# KiCad board mainboard.kicad_pcb (continued)
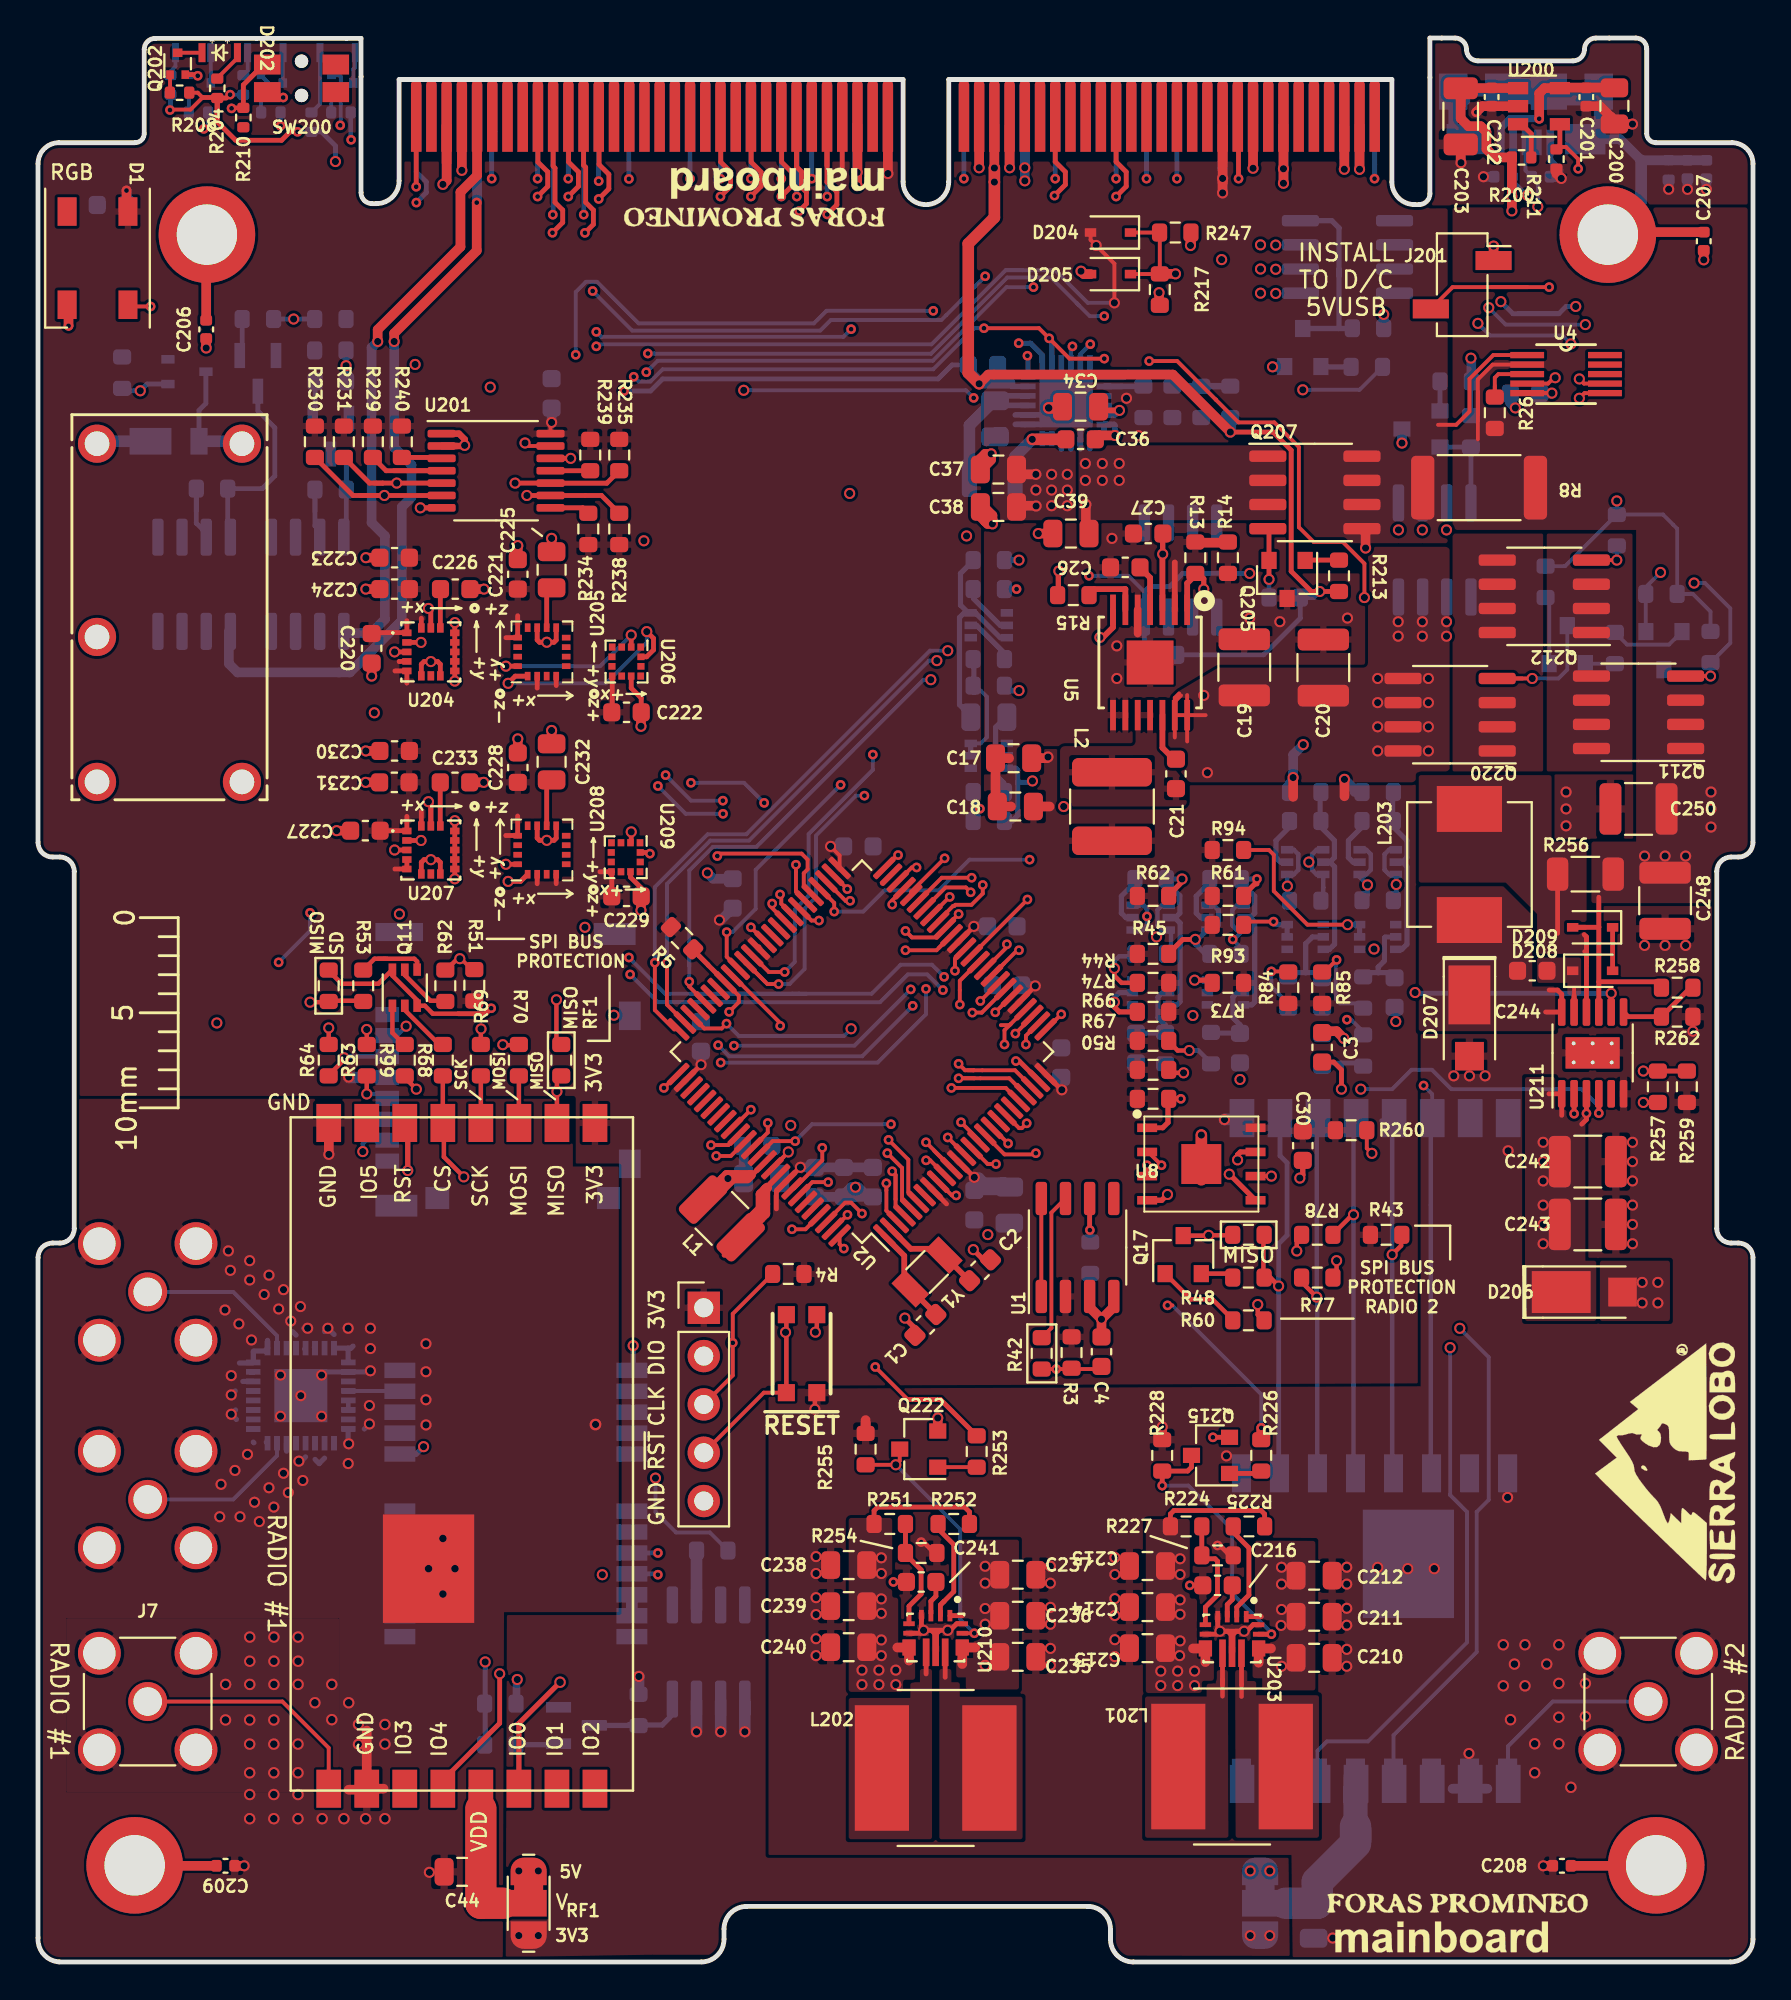
[diagram p0: board, top side]
## Nets (continued)
VBUS_INHIBIT: C245.1 C248.1 C249.1 C250.1 D209.2 Q211.1 Q211.2 Q211.3 R8.1 R26.1 R256.1 R258.1 U4.2 U211.9
VBUS_RESET: R52.2 U2.54
VBUS_USB: C37.2 C38.2 Q213.1 Q213.2 Q213.3 U17.15 U17.16
VCC_MHX: C213.1 C214.1 C215.1 JP6.1 JP7.1 P1.73 R224.1 R225.1 U203.7
VCC_PAYLOAD: C238.1 C239.1 C240.1 P1.59 P1.60 R251.1 R252.1 U210.7
VCC_RF1: C44.2 JP6.2 U23.5
VCC_RF2: C46.2 JP7.2 U15.13 U24.5
/Avionics/BATTERY: C3.1 R1.2 R2.2 U2.19
/Avionics/XTAL1: C1.1 U2.1 Y1.1
/Avionics/XTAL2: C2.1 U2.2 Y1.2
/Burn Wires/VBURN_A_IN: Q20.1 Q20.2 Q20.3 Q21.1 Q21.2 Q21.3 R37.2 R38.2 U16.11
/IMU/SCL_IMU1: R230.2 U201.6 U204.2 U205.1 U206.12
/IMU/SCL_IMU2: R235.2 U201.10 U207.2 U208.1 U209.12
/IMU/SDA_IMU1: R231.2 U201.5 U204.3 U205.16 U206.2
/IMU/SDA_IMU2: R238.2 U201.9 U207.3 U208.16 U209.2
/RF and GPS/RF2_ANT: J12.1 U15.9 U24.1
/RF and GPS/RF2_IO1: U15.15 U24.7
/RF and GPS/RF2_IO2: U15.16 U24.8
/RF and GPS/RF2_IO3: U15.11 U24.3
/RF and GPS/RF_IN: U13.4 U14.11
/SLI_Card/+X_SOLAR_TLE: P1.4
/SLI_Card/+Y_SOLAR_TLE: P1.113
/SLI_Card/-X_SOLAR_TLE: P1.114
/SLI_Card/-Z_SOLAR_TLE: P1.3
/SLI_Card/Blank-Card-Default/SW_VCC: R210.1
/SLI_Card/Blank-Card-Default/YEL_LED: R207.2
/SLI_Card/CHS: C204.1 C205.1 C206.2 C207.2 C208.2 C209.2 H200.1 H201.1 H202.1 H203.1 J200.6 R201.1
/SLI_Card/H1-3: P1.13
/SLI_Card/H1-4: P1.14
/SLI_Card/H1-12: P1.30
/SLI_Card/H1-13: P1.33
/SLI_Card/H1-14: P1.34
/SLI_Card/H1-16: P1.38
/SLI_Card/H1-24: P1.54
/SLI_Card/H1-25: P1.57
/SLI_Card/H1-27: P1.61
/SLI_Card/H1-28: P1.62
/SLI_Card/H1-30: P1.66
/SLI_Card/H1-31: P1.69
/SLI_Card/H1-34: P1.74
/SLI_Card/H1-37: P1.81
/SLI_Card/H1-38: P1.82
/SLI_Card/H1-42: P1.90
/SLI_Card/H1-44: P1.94
/SLI_Card/H1-45: P1.97
/SLI_Card/H1-46: P1.98
/SLI_Card/H1-50: P1.106
/SLI_Card/H1-51: P1.109
/SLI_Card/H1-52: P1.110
/SLI_Card/H2-2: P1.12
/SLI_Card/H2-3: P1.15
/SLI_Card/H2-4: P1.16
/SLI_Card/H2-9: P1.27
/SLI_Card/H2-10: P1.28
/SLI_Card/H2-11: P1.31
/SLI_Card/H2-12: P1.32
/SLI_Card/H2-13: P1.35
/SLI_Card/H2-14: P1.36
/SLI_Card/H2-15: P1.39
/SLI_Card/H2-16: P1.40
/SLI_Card/H2-17: P1.43
/SLI_Card/H2-18: P1.44
/SLI_Card/H2-19: P1.47
/SLI_Card/H2-20: P1.48
/SLI_Card/H2-33: P1.75
/SLI_Card/H2-34: P1.76
/SLI_Card/H2-35: P1.79
/SLI_Card/H2-36: P1.80
/SLI_Card/H2-37: P1.83
/SLI_Card/H2-38: P1.84
/SLI_Card/H2-39: P1.87
/SLI_Card/H2-40: P1.88
/SLI_Card/H2-41: P1.91
/SLI_Card/H2-42: P1.92
/SLI_Card/H2-43: P1.95
/SLI_Card/H2-44: P1.96
/SLI_Card/H2-51: P1.111
/SLI_Card/H2-52: P1.112
/SLI_Card/Payload_Regulator/EN: Q222.3 R255.1 U210.14
/SLI_Card/RBF: P1.37 Q206.4 Q221.1 R214.2 R249.2
/SLI_Card/RF_Regulator/EN: Q215.3 R228.1 U203.14
/SLI_Card/SELF_TEST: P1.101
/SLI_Card/SEP1: P1.1 R212.2
/SLI_Card/SEP2: P1.2 Q211.4 R220.2
/SLI_Card/SEP3: P1.119 Q212.4 R221.2
/SLI_Card/SEP4: P1.120
/SLI_Card/Sep_Sw_Vcc: D204.1 D205.1 Q204.2 R217.1 R220.1 R221.1 R247.1 R248.1 R249.1
/SLI_Card/USER_2: P1.105
/SLI_Card/~{USB_EN}: J201.2 R211.1 U200.4
/SLI_Card/~{USB_FLAG}: R200.2 U200.3
AIN5: U2.18
BATT_NTC: P1.11 U211.8
BP_LED_LATCH: P1.102 U2.37
BURN_RELAY_A: Q6.1 R25.1 U2.84
CTS_MCU_3: P1.78 U2.45
CTS_MCU_4: P1.25 U2.59
DAC0: U2.7
EN_PAYLOAD: R253.2 U2.67
EN_RF: R226.2 U2.17
ENAB_BURN1: R27.1 R32.2 U2.85
ENAB_BURN2: R28.1 R33.2 U2.86
ENAB_GPS: R21.1 R22.1 U2.98
FLASH_CS: R50.1 U2.33 U8.1
FLASH_IO2: U2.28 U8.3
FLASH_IO3: U2.29 U8.7
FLASH_MISO: U2.27 U8.2
FLASH_MOSI: U2.26 U8.5
FLASH_SCK: U2.32 U8.6
GPS_PWR_IN: Q22.5 Q22.6 Q22.7 Q22.8 R24.2 U14.22 U14.23
MISO: P1.50 Q11.3 Q11.6 Q17.3 R101.2 R104.2 R107.2 U2.48
MISO_RF1: R99.2 R101.1 U23.10
MISO_RF2: R48.2 R107.1 U15.2 U24.10
MISO_SD: J1.7 R53.2 R104.1
MOSI: P1.53 R64.2 R70.1 R77.2 U2.46
MOSI_RF1: R70.2 U23.11
MOSI_RF2: R77.1 U15.3 U24.11
MOSI_SD: J1.3 R64.1
PA19: P1.22 U2.55
PA20: U2.70
PB16: P1.55 U2.64
PB17: P1.52 U2.65
PB18: P1.51 U2.66
PC00: P1.19 U2.3
PC01: P1.20 U2.4
PC02: P1.23 U2.5
PC03: P1.24 U2.6
PC05: P1.17 U2.21
PC06: P1.18 U2.22
PC07: P1.21 U2.23
PC10: P1.29 U2.40
PC11: P1.56 U2.41
RF1_ANT: J7.1 U23.1
RF1_CS: R5.2 R68.2 U2.68 U23.13
RF1_IO0: U2.10 U23.6
RF1_IO4: U2.9 U23.4
RF1_RST: U2.97 U23.14
RF2_CS: R43.2 R60.2 U2.16 U15.5 U24.13
RF2_IO0: U2.13 U15.14 U24.6
RF2_IO4: U2.14 U15.12 U24.4
RF2_RST: U2.36 U15.6 U24.14
RTS_MCU_3: P1.77 U2.44
RTS_MCU_4: P1.26 U2.58
RX_MCU: U2.100 U14.20
RX_MCU_2: P1.45 U2.52
RX_MCU_3: P1.85 U2.42
RX_MCU_4: P1.41 U2.56
SCK: P1.49 R63.2 R69.2 R78.2 U2.47
SCK_RF1: R69.1 U23.12
SCK_RF2: R78.1 U15.4 U24.12
SCK_SD: J1.5 R63.1
SCL: P1.89 Q7.1 Q7.3 Q15.1 Q15.3 R45.2 R97.2 R108.2 U2.35
SCL_IMU: Q7.4 Q7.6 R66.2 R75.1 R97.1 U201.12
SCL_PWR: Q15.4 Q15.6 R84.2 R95.1 R108.1 U4.6 U17.5
SD_CS: J1.2 R51.1 R92.2 U2.87
SDA: P1.93 Q8.1 Q8.3 Q16.1 Q16.3 R44.2 R98.2 R109.2 U2.34
SDA_IMU: Q8.4 Q8.6 R67.2 R76.1 R98.1 U201.13
SDA_PWR: Q16.4 Q16.6 R85.2 R96.1 R109.1 U4.7 U17.4
STAT: C34.1 R209.2 U17.2 U17.11
SWCLK: J2.3 R4.2 U2.93
SWDIO: J2.2 U2.94
THM: R34.2 R35.2 R46.2 U17.7
TX_MCU: U2.99 U14.21
TX_MCU_2: P1.46 U2.53
TX_MCU_3: P1.86 U2.43
TX_MCU_4: P1.42 U2.57
USB_D+: J200.3 U2.75 U17.24 Z200.1
USB_D-: J200.2 U2.74 U17.1 Z201.1
VBURN1: P1.9 Q20.5 Q20.6 Q20.7 Q20.8
VBURN2: P1.10 Q21.5 Q21.6 Q21.7 Q21.8
VCHRG_USB: C39.2 Q207.1 Q207.2 Q207.3 U17.13 U17.14
VSOLAR: D205.2 D206.2 P1.7 P1.8 P1.117 P1.118
WDT_WDI: R7.2 U1.6 U2.73
~{CHRG}: R260.2 U2.15 U211.4
~{RESET}: C4.2 J2.4 P1.65 R3.2 R42.1 R210.2 SW1.A SW1.A' SW200.1 U2.88
Net-(C6-Pad1): C6.1 Q3.3 Q3.6 R49.2
Net-(C6-Pad2): C6.2 Q2.5 R47.2
Net-(C8-Pad1): C8.1 Q12.5 R75.2
Net-(C12-Pad2): C12.2 C14.1 L1.1 U2.89
Net-(C21-Pad1): C21.1 L2.1 U5.10 U5.11
Net-(C21-Pad2): C21.2 U5.12
Net-(C26-Pad1): C26.1 U5.4
Net-(C27-Pad1): C27.1 R15.2 U5.3
Net-(C32-Pad2): C32.2 U4.5
Net-(C35-Pad2): C35.2 L4.1 U17.21 U17.22
Net-(C36-Pad1): C36.1 L4.2 U17.17 U17.18
Net-(C36-Pad2): C36.2 U17.12
Net-(C40-Pad1): C40.1 Q13.5 R76.2
Net-(C41-Pad1): C41.1 Q18.5 R95.2
Net-(C42-Pad1): C42.1 Q19.5 R96.2
Net-(C200-Pad1): C200.1 C201.1 J200.1 U200.5
Net-(C216-Pad2): C216.2 U203.3
Net-(C225-Pad1): C225.1 U205.10
Net-(C226-Pad1): C226.1 U204.14
Net-(C232-Pad1): C232.1 U208.10
Net-(C233-Pad1): C233.1 U207.14
Net-(C241-Pad2): C241.2 U210.3
Net-(C242-Pad1): C242.1 C243.1 C246.1 C247.1 D206.1 R257.1 U211.1 U211.3
Net-(C244-Pad1): C244.1 D207.1 L203.2 U211.12
Net-(C244-Pad2): C244.2 D208.1 U211.11
Net-(D1-Pad2): D1.2
Net-(D1-Pad4): D1.4 U2.71
Net-(D4-PadA): D4.A Q6.3 U16.5
Net-(D200-Pad1): D200.1 Q200.3
Net-(D200-Pad2): D200.2 R202.2
Net-(D201-Pad1): D201.1 Q201.3
Net-(D201-Pad2): D201.2 R203.2
Net-(D202-Pad1): D202.1 Q202.3
Net-(D202-Pad2): D202.2 R204.2
Net-(D203-Pad1): D203.1 Q203.3
Net-(D203-Pad2): D203.2 R205.2
Net-(D208-Pad2): D208.2 D209.1
Net-(J1-Pad1): J1.1
Net-(J1-Pad8): J1.8
Net-(J1-PadDT): J1.DT
Net-(J1-PadSW): J1.SW
Net-(J5-Pad1): J5.1 U13.15
Net-(J6-Pad1): J6.1 U13.26
Net-(J200-Pad4): J200.4
Net-(L1-Pad2): L1.2 U2.91
Net-(L201-Pad1): L201.1 U203.11
Net-(L201-Pad2): L201.2 U203.9
Net-(L202-Pad1): L202.1 U210.11
Net-(L202-Pad2): L202.2 U210.9
Net-(L203-Pad1): L203.1 R256.2 U211.10
Net-(Q1-Pad1): Q1.1 R22.2
Net-(Q1-Pad3): Q1.3 Q22.4 R23.2
Net-(Q2-Pad2): Q2.2 Q2.3 R30.2 R110.2
Net-(Q3-Pad2): Q3.2 R110.1
Net-(Q3-Pad5): Q3.5 R52.1
Net-(Q4-Pad1): Q4.1 R32.1
Net-(Q5-Pad1): Q5.1 R33.1
Net-(Q7-Pad2): Q7.2 R71.1
Net-(Q8-Pad2): Q8.2 R72.1
Net-(Q11-Pad1): Q11.1 R99.1
Net-(Q11-Pad2): Q11.2 R68.1
Net-(Q11-Pad4): Q11.4 R53.1
Net-(Q11-Pad5): Q11.5 R92.1
Net-(Q12-Pad2): Q12.2 Q12.3 R73.2
Net-(Q12-Pad6): Q7.5 Q12.6 R61.2 R71.2
Net-(Q13-Pad2): Q13.2 Q13.3 R74.2
Net-(Q13-Pad6): Q8.5 Q13.6 R62.2 R72.2
Net-(Q15-Pad2): Q15.2 R86.1
Net-(Q15-Pad5): Q15.5 Q18.6 R82.2 R86.2
Net-(Q16-Pad2): Q16.2 R87.1
Net-(Q16-Pad5): Q16.5 Q19.6 R83.2 R87.2
Net-(Q17-Pad1): Q17.1 R60.1
Net-(Q17-Pad2): Q17.2 R48.1
Net-(Q18-Pad2): Q18.2 Q18.3 R93.2
Net-(Q19-Pad2): Q19.2 Q19.3 R94.2
Net-(Q20-Pad4): Q4.3 Q20.4 R37.1
Net-(Q21-Pad4): Q5.3 Q21.4 R38.1
Net-(Q200-Pad1): Q200.1 R206.1
Net-(Q201-Pad1): Q201.1 R207.1
Net-(Q202-Pad1): Q202.1 R208.1
Net-(Q203-Pad1): Q203.1 R209.1
Net-(Q204-Pad1): Q204.1 R212.1
Net-(Q204-Pad3): Q204.3 Q208.4 R215.1
Net-(Q205-Pad1): Q205.1 R213.1
Net-(Q205-Pad2): Q205.2 Q207.4 R216.2
Net-(Q209-Pad1): Q209.1 R250.1
Net-(Q209-Pad2): Q209.2 R248.2
Net-(Q209-Pad3): Q209.3 Q220.4
Net-(Q210-Pad1): Q210.1 R218.1
Net-(Q210-Pad2): Q210.2 Q213.4 R219.2
Net-(Q211-Pad5): Q211.5 Q211.6 Q211.7 Q211.8 Q212.1 Q212.2 Q212.3
Net-(Q212-Pad5): Q212.5 Q212.6 Q212.7 Q212.8 Q220.1 Q220.2 Q220.3
Net-(Q215-Pad1): Q215.1 R226.1
Net-(Q221-Pad2): Q221.2 R250.2
Net-(Q222-Pad1): Q222.1 R253.1
Net-(R13-Pad1): R13.1 R14.2 U5.2
Net-(R15-Pad1): R15.1 U5.6
Net-(R24-Pad1): R24.1 U14.8
Net-(R26-Pad2): R26.2 U4.3
Net-(R36-Pad2): R36.2 U17.8
Net-(R42-Pad2): R42.2 U1.7
Net-(R224-Pad2): R224.2 R227.1 U203.5
Net-(R225-Pad2): R225.2 U203.2
Net-(R229-Pad2): R229.2 U201.4
Net-(R234-Pad2): R234.2 U201.8
Net-(R239-Pad2): R239.2 U201.11
Net-(R240-Pad2): R240.2 U201.3
Net-(R251-Pad2): R251.2 R254.1 U210.5
Net-(R252-Pad2): R252.2 U210.2
Net-(R257-Pad2): R257.2 R259.1 U211.2
Net-(R258-Pad2): R258.2 R262.1 U211.7
Net-(U1-Pad1): U1.1 U1.8
Net-(U1-Pad5): U1.5
Net-(U2-Pad20): U2.20
Net-(U2-Pad49): U2.49
Net-(U2-Pad60): U2.60
Net-(U2-Pad61): U2.61
Net-(U2-Pad69): U2.69
Net-(U2-Pad72): U2.72
Net-(U2-Pad78): U2.78
Net-(U2-Pad79): U2.79
Net-(U2-Pad80): U2.80
Net-(U2-Pad81): U2.81
Net-(U2-Pad82): U2.82
Net-(U2-Pad83): U2.83
Net-(U2-Pad95): U2.95
Net-(U2-Pad96): U2.96
Net-(U4-Pad8): U4.8
Net-(U4-Pad9): U4.9
Net-(U4-Pad10): U4.10
Net-(U14-Pad1): U14.1
Net-(U14-Pad2): U14.2
Net-(U14-Pad3): U14.3
Net-(U14-Pad4): U14.4
Net-(U14-Pad5): U14.5
Net-(U14-Pad6): U14.6
Net-(U14-Pad7): U14.7
Net-(U14-Pad9): U14.9
Net-(U14-Pad14): U14.14
Net-(U14-Pad15): U14.15
Net-(U14-Pad16): U14.16
Net-(U14-Pad17): U14.17
Net-(U14-Pad18): U14.18
Net-(U14-Pad19): U14.19
Net-(U15-Pad7): U15.7
Net-(U17-Pad3): U17.3
Net-(U17-Pad6): U17.6
Net-(U17-Pad9): U17.9
Net-(U17-Pad10): U17.10
Net-(U23-Pad3): U23.3
Net-(U23-Pad7): U23.7
Net-(U23-Pad8): U23.8
Net-(U23-Pad15): U23.15
Net-(U24-Pad15): U24.15
Net-(U204-Pad7): U204.7
Net-(U205-Pad5): U205.5
Net-(U205-Pad15): U205.15
Net-(U206-Pad5): U206.5
Net-(U207-Pad7): U207.7
Net-(U208-Pad5): U208.5
Net-(U208-Pad15): U208.15
Net-(U209-Pad5): U209.5
Net-(U211-Pad5): U211.5

Pads without a net: U205 3 6 7 8 12 14; U206 1 3 4 6 8 10 11; U208 3 6 7 8 12 14; U209 1 3 4 6 8 10 11

## Via types
v1: diameter 0.584, hole 0.381, Top to Bottom, 454 vias
v2: diameter 0.6, hole 0.4, Top to Bottom, 60 vias
v3: diameter 0.508, hole 0.254, Top to Bottom, 203 vias

## Routing (per net, layer and track width the routed paths; a pad name or vN(x,y) marks a point on that pad's centre or on a via; arc(x,y) is an arc through that point)
3.3V: length 90.7
  Top w0.203: U2.51 42.15,58.17 v1(41.67,58.65) ; v1(27,80.94) 26.94,80.88 U201.14 ; U2.8 46.97,40.65
  Top w0.254: 49.31,54.55 v1(49.2,54.44) U2.39 ; U205.4 27.24,67.11 ; U2.30 51.57,50.45 v1(52.43,51.31) ; 27.26,57.16 27.24,57.18 U208.4 27.24,56.69 ; U205.2 26.24,66.97 ; U2.25 53.81,45.85 v1(53.83,45.85) ; 19.39,67.23 19.39,67.87 18.76,67.87 ; 18.99,68.36 19,68.37 19.39,68.37 ; U207.16 20.15,60.48 ; 18.76,57.46 19.39,57.46 19.39,57.96 ; 46.97,40.65 47.77,39.85 ; 25.22,69.76 25.22,69.76 U205.13 ; U204.16 20.15,70.64 ; 30.16,57.29 30.19,57.31 29.54,57.31 ; 40.09,41.78 40.08,41.78 U2.92 38.82,40.52 38.82,39.59 ; 30.16,66.08 30.19,66.1 U206.7 ; U2.77 v1(34.86,47.17) ; U205.13 25.22,70.77 ; U205.13 24.6,69.62 ; 19.39,70.51 19.39,69.87 19.38,69.89 17.99,69.89 ; C229.1 30.16,57.3 U209.7 ; 19.39,60.23 19.39,59.46 19.38,59.47 C227.1 ; 48.37,42.11 v1(49.23,41.25) ; 25.22,60.24 U208.13 25.21,59.21 25.2,59.22 24.59,59.22 ; U2.63 37.9,53.36 ; U208.2 26.24,56.68 ; P1.58 42.28,94.1
  Top w0.272: 60.98,73.04 61.29,72.72 v1(61.29,72.17)
  Top w0.305: 60.98,73.04 60.42,72.48 U5.1
  Top w0.508: 65.99,62.14 65.99,61.25 ; v3(4.65,93.13) 4.65,92.1 D1.1 ; C17.2 53.04,63.28 v1(53.1,63.35) ; C17.2 52.73,63.28 ; C17.2 52.68,63.28 ; v1(68.69,62.17) 68.69,61.28 ; P1.63 v1(44.68,94.02) ; C18.2 53.19,60.74
  In2.Cu w0.203: v1(53.1,63.35) 53.1,70.21 55.07,72.17 v1(61.29,72.17)
  Bottom w0.254: v1(66.52,64) 66.5,63.97 66.5,63.92
  Bottom w0.272: 69.65,61.63 69.1,61.63 ; 65.84,61.19 65.84,61.99 65.99,62.14 ; 69.1,61.76 68.6,62.27
  Bottom w0.508: C252.1 34.85,47.18 v1(34.86,47.17) ; 40.09,41.78 40.1,41.77 43.64,41.77 ; P1.63 v1(44.68,94.02) ; 65.8,61.95 65.99,62.14 ; v1(53.83,45.85) 53.8,45.88 C11.1 ; C218.1 51.75,51.31 v1(52.43,51.31) 52.44,51.32 ; v1(49.2,54.44) 49.21,54.44 C219.1 ; C5.1 4.66,93.12 v3(4.65,93.13) ; R83.1 69.23,61.51 ; v1(41.67,58.65) C234.1 ; v1(35.83,54.78) 35.91,54.78 C251.1 ; 65.99,62.01 65.99,63.46 v1(66.52,64) ; v1(27,80.94) C217.1 ; 69.23,61.63 v1(68.69,62.17) ; v1(49.23,41.25) C10.1 50.89,40.56 51.07,40.74 50.81,41 49.74,41 49.48,41.25 v1(49.23,41.25)
  Bottom w0.61: 34.62,13.7 v1(34.62,12.1) ; 63.36,44.3 62.4,44.3 v1(62.38,44.29) ; v1(16.33,46.52) 16.35,46.5 J1.4 ; v1(31.59,15.01) 31.57,14.99 31.57,14.03 ; 37.16,13.7 v1(37.16,12.1) ; 35.89,13.7 v1(35.89,12.1)
  vias: v1(25.28,1.39) v1(26.3,1.39) v1(40.08,41.78) v1(63.74,1.39) v1(64.76,1.39) v1(65.99,62.27)
5V_USB: length 161.5
  Top w0.203: 7.8,98.27 R208.2 8.4,98.27 8.65,98.02 8.02,97.38 6.96,97.38 ; R204.1 9.92,97.99 10.1,98.17
  Top w0.235: v3(6.94,97.36) 6.96,97.38
  Top w0.254: R204.1 9.9,97.99 ; R204.1 9.4,98.02 8.65,98.02 ; R204.1 9.42,96.74 10.39,95.77 12.8,95.77 13.25,96.22 v3(13.64,96.22) ; R208.2 7.96,98.27 ; v1(62.69,80.43) 64.94,80.43 65.89,79.48 65.89,73.11 66.95,72.05 v1(67.39,72.05) R213.2 ; 9.42,96.96 9.42,97.18
  Top w0.272: 9.42,97.18 R204.1
  Top w0.508: 77.49,94.87 R200.1 ; R200.1 v1(77.49,92.8) v1(77.49,92.06) ; R200.1 76.6,94.87 76.16,95.31 76.16,96.21 75.85,96.51 75.21,96.51 74.8,96.92 C203.1 ; C203.1 74.81,98.51 U200.1 ; C203.1 74.8,97.6 ; v1(49.48,82.97) 49.96,83.45 59.67,83.45 v1(62.69,80.43) ; v1(76.53,90.21) 76.53,90.21 J201.1 ; P1.70 v1(50.28,94.31)
  Top w0.61: v1(50.28,94.31) v1(50.28,93.57) 50.28,91.71 48.91,90.34 48.91,83.54 v1(49.48,82.97)
  In2.Cu w0.203: v3(30.81,82.59) 30.79,82.61 30.79,84.42 30.84,84.47
  In2.Cu w0.254: 24.91,86.23 29.58,86.23 30.81,85 v3(30.81,82.59) ; 24.91,86.23 21.46,86.23 15.64,92.05 v1(15.64,94.65) ; 24.91,86.23 22.77,86.23
  In2.Cu w0.508: v1(77.49,92.06) 77.68,91.88 77.68,90.08 ; 77.68,90.08 77.55,90.21 v1(76.53,90.21) ; 77.68,90.08 77.68,85 76.99,84.32 v1(75.34,84.32) 70.77,84.32 66.89,80.43 v1(62.69,80.43)
  Bottom w0.203: 13.92,96.22 14.37,96.22 R205.1 ; 13.92,96.22 13.72,96.22 ; 13.92,96.22 v3(13.64,96.22) ; R203.1 v3(10.1,98.17) 10.1,98.17
  Bottom w0.254: 6.96,97.38 R202.1 ; v1(15.64,94.65) 15.64,95.48 14.9,96.21 R205.1 ; C33.2 48.06,83.96 47.32,83.22 32.84,83.22 32.2,82.59 v3(30.81,82.59) ; v1(67.39,72.05) 67.07,71.73 R216.1 66.37,70.65 64.44,68.72 R214.1 ; R219.1 v1(75.34,84.32)
  Bottom w0.279: U17.23 51.2,82.83 51.01,83.02
  Bottom w0.508: v1(75.34,84.32) 75.36,84.29 R218.2
  Bottom w0.61: 48.9,83.96 48.9,83.63 49.51,83.02 51.08,83.02 ; R34.1 v1(62.69,80.43)
/Power/3V3_EN: length 15.8
  Top w0.279: 55.99,69.63 v1(55.83,69.63)
  Top w0.305: U5.7 56.52,70.16 55.99,69.63
  In2.Cu w0.203: v1(52.29,62.09) 52.86,62.09 55.83,65.06 v1(55.83,69.63)
  Bottom w0.272: v1(52.29,62.09) 52.21,62.01 51.51,62.01 ; 51.51,62.01 51.51,60.28 51.21,59.98 50.78,59.98 ; 51.51,62.01 51.51,62.65 51.4,62.76 Q2.6
GND: length 168.1
  Top w0.203: v3(12.89,98.02) 12.34,98.02 SW200.2 ; U2.38 48.21,52.74 v3(48.21,52.11) ; U2.76 33.64,46.68 v3(32.91,45.95) ; U4.4 79.39,82.98 79.7,83.29 v1(79.77,83.29) ; v3(46.69,43.09) 48.03,41.75 U2.11 ; v1(39.45,42.58) 38.61,41.75 U2.90 39.21,42.33 ; v3(37.48,54.39) 38.25,53.63 U2.62 ; v3(45.22,58.19) 45.17,58.19 U2.50 ; U2.11 47.12,42.65 ; U2.11 47.99,41.73 ; v3(50.33,49.93) 51.2,50.8 U2.31
  Top w0.235: 18.17,9.11 18.22,9.06 18.24,9.06 ; U23.2 17.3,9.13 17.3,9.79 17.3,9.14 17.22,9.06 ; 40.85,29.83 v1(40.85,29.06) ; SW1.B 40.95,33.19
  Top w0.25: SW200.2 11.85,98.1
  Top w0.254: 8.33,99.19 8.3,99.22 Q202.2 ; 60.49,19.8 v3(60.56,19.8) C216.1 ; 21.91,67.23 v1(21.91,67.34) U204.9 U204.13 21.91,70.41 v1(21.92,70.41) ; 20.65,60.62 U207.15 20.65,60.87 v1(20.53,61) ; U208.9 27.24,59.08 27.13,58.97 v1(26.75,58.97) 26.37,58.97 26.24,59.09 U208.11 ; v1(47.83,17.44) v1(46.56,17.44) 46.4,17.28 45.8,17.28 ; U210.4 46.45,17.55 ; 46.97,17.44 47.2,17.22 ; 47.2,17.22 47.42,17.44 ; 47.2,17.22 U210.10 ; 47.96,17.44 48.3,17.78 48.6,17.78 ; C241.1 v3(44.97,19.98) ; 46.56,22.07 47.26,21.37 ; P1.67 49.48,94.43 ; R262.2 v1(87.01,48.93) ; v1(20.53,71.16) 20.65,71.03 U204.15 ; 62.78,17.16 63,17.39 v1(63.41,17.39) ; 62.78,17.16 U203.10 ; 62.78,17.16 62.56,17.39 v1(62.14,17.39) ; v3(62.02,21.89) 62.14,21.89 62.84,21.2 ; U207.6 20.15,57.81 20.29,57.95 v1(20.65,57.95) 21.01,57.95 21.15,57.81 U207.8 ; v1(63.41,17.39) v1(62.14,17.39) ; v1(63.41,17.39) 63.54,17.39 63.89,17.73 U203.15 ; U209.9 31.15,57.03 31.71,56.46 31.71,55.97 ; v1(21.92,60) 21.91,60 U207.9 v1(21.91,56.94) ; U204.8 21.15,68.22 21.01,68.36 v1(20.65,68.36) 20.29,68.36 20.15,68.22 U204.6 ; v1(62.14,17.39) 62.03,17.5 U203.4 ; v1(62.14,17.39) 62.4,17.39 ; v1(62.14,17.39) 61.99,17.23 U203.6 ; 27.24,70.15 27.24,69.5 27.13,69.38 v1(26.75,69.38) 26.37,69.38 26.24,69.5 26.24,70.15 ; v3(51.42,47.36) 51.59,47.36 U2.24 ; 31.71,66.08 31.71,66.45 31.19,66.97 U206.9
  Top w0.272: v1(45.58,33.85) 46.1,33.33 46.1,32.93 ; v1(49.18,37.45) 49.7,36.92 50.09,36.92 ; U201.7 v1(20.1,76.45)
  Top w0.279: 20.4,28.24 v1(20.4,28.23) ; v1(66.34,41.21) 66.5,41.36 66.5,42.13 ; v1(59.39,40.35) 59.08,40.04 58.3,40.04
  Top w0.338: U201.1 22.13,80.35 22.43,80.05 v1(22.43,79.73) 22.4,79.7 U201.2 22.02,79.7
  Top w0.406: 57.82,69.84 U5.5
  Top w0.508: C207.1 87.58,89.51 ; C208.1 79.17,5.05 ; C209.1 10.81,5.05 ; C227.2 v1(15.7,59.47) ; C231.2 v1(17.22,62.01) ; 17.97,63.67 v1(17.24,63.67) ; C233.2 v1(23.43,62.01) ; C228.2 v1(25.22,64.3) ; C221.2 v1(25.22,74.46) ; C226.2 v1(23.45,72.17) ; 17.97,73.83 v1(17.24,73.83) ; 17.97,72.17 v1(17.24,72.17) ; C232.2 v1(27,64.74) ; 31.7,65.68 31.7,64.96 ; U1.3 55.29,34.41 v1(55.91,33.79) ; D1.3 1.6,87.05 v3(1.6,86.02) ; U23.2 18.17,9.11 ; v1(21.29,93.45) 21.48,93.65 P1.5 21.48,94.58 ; 31.7,55.97 v1(31.7,55.28) ; P1.71 v1(51.08,94.32) ; P1.103 v1(63.88,94.3) ; 58.94,87.01 v1(58.94,87.76) ; P1.67 49.48,94.33 v1(49.48,94.32) ; v1(55.91,33.79) C4.1 ; v1(55.91,33.79) 56.56,34.44 ; v1(68.66,48.55) 68.28,48.93 67.44,48.93 67.38,48.87 ; 43.51,28.36 R255.2 43.51,28.49 ; R228.2 v1(59.11,28.13) ; 51.16,60.74 C18.1 50.34,60.84 C17.1 51.06,63.28 ; v1(8.84,84.85) C206.1 8.84,84.87 ; P1.115 v1(68.68,94.25) ; v1(15.29,42.46) 15.29,43.82 15.28,43.83 ; C225.2 v1(27,74.84) ; C220.2 17.54,67.67 ; 17.28,9.06 17.28,12.16 ; 17.22,9.06 16.33,9.06
  Top w0.61: 61.17,41.12 U8.9 v1(61.17,43.47) ; 29.3,28.25 v1(29.31,28.26)
  Bottom w0.203: 15.44,99.18 Q203.2 15.86,99.18 15.91,99.12 15.91,96.58 v3(15.89,96.56) ; Q201.2 12.26,98.64 12.26,98.23 12.47,98.02 v3(12.89,98.02)
  Bottom w0.235: U13.5 U13.6
  Bottom w0.254: 8.33,99.19 8.32,99.18 Q200.2 ; 49.5,96.56 49.5,94.47
  Bottom w0.272: U13.25 11.92,32.12 11.35,32.12 11.32,32.08 U13.24 ; U13.25 12.07,32.68 ; U13.25 12.08,32.25 ; U13.8 16.31,28.01 16.31,27.17 16.2,27.27 ; 16.56,32.38 16.45,32.27 16.31,32.27 ; 14.57,26.42 14.78,26.2 15.07,26.49 ; U13.30 14.53,32.31 ; 14.07,26.55 13.72,26.2 13.57,26.35 ; 15.07,28.54 v1(14.91,28.69) ; U13.29 14.02,32.22 ; 13.57,32.96 13.39,33.14 ; U13.14 13.07,26.85 ; 16.31,32.27 U13.32 15.58,32.26 ; 16.31,32.27 16.31,31.53 U13.1 ; 11.32,27.33 11.35,27.3 ; U13.16 12,27.33 ; 15.07,31.02 U13.2 17.41,31.02 v1(17.47,31.08) ; 14.07,33.22 13.97,33.31 ; 15.07,33.14 v1(15.24,33.31) 15.57,32.99 ; 17.16,28.02 v1(17.42,28.29) ; 10.37,30.02 v1(10.16,29.81) ; U13.22 10.77,30.52 ; 10.43,28.52 v1(10.16,28.79) 10.39,29.02 ; 12.58,28.52 v1(12.75,28.69) ; U13.23 11.18,31.02 ; 12.58,31.02 v1(12.75,30.85) ; 11.28,31.49 10.59,31.49
  Bottom w0.279: U14.13 31.29,31.17 v1(31.29,32.4)
  Bottom w0.406: 25.16,13.58 25.16,14.81 v1(25.2,14.85)
  Bottom w0.508: 42.24,40.22 42.75,40.73 v1(42.98,40.73) 43.13,40.73 43.64,40.22 C253.2 ; 36.53,56.93 36.53,56.95 35.5,56.95 v1(35.19,57.25) ; R215.2 v1(70.75,86.61) ; 68.68,94.88 P1.115 v1(68.68,94.25) ; v1(21.29,93.45) 21.48,93.65 P1.5 21.48,94.86 ; 77.41,82.28 C32.1 77.41,81.97 v1(77.68,81.7) ; 76.2,9.11 74.37,9.11 ; P1.71 v1(51.08,94.32) ; P1.67 49.48,94.32 ; Q210.3 v1(71.71,79.85) ; v1(63.88,94.3) P1.103
  vias: v1(9.4,49.36) v1(9.55,23.41) v1(9.62,25.11) v1(9.83,34.27) v1(10.01,37.38) v1(10.11,36.36) v1(10.16,30.83) v1(10.35,25.84) v1(10.56,33.54) v1(10.62,23.41) v1(10.84,5.05) v1(11.01,26.69) v1(11.13,36.87) v1(11.13,35.85) v1(11.22,32.7) v1(11.38,24.17) v1(11.64,23.15) v1(11.89,35.09) v1(12.14,36.11) v1(12.14,24.93) v1(12.4,23.91) v1(12.65,34.33) v1(12.91,35.34) v1(12.91,25.69) v1(13.16,24.68) v1(13.29,33.69) v1(13.79,34.46) v1(13.72,26.33) v1(13.82,29.77) v1(13.92,25.31) v1(14.18,33.31) v1(14.91,30.85) v1(16.31,33.31) v1(16.33,27.24) v1(16.31,26.2) v1(16.84,12.48) v1(16.84,11.44) v1(17.47,33.31) v1(17.47,32.25) v1(17.42,29.25) v1(17.54,67.6) v1(17.68,65.67) v1(19,55.09) v1(20.4,32.5) v1(20.4,31.03) v1(20.4,29.56) v1(20.58,4.71) v1(23.78,82.79) v1(28.76,54.39) v1(30.28,49.77) v1(31.7,64.96) v1(31.85,74.71) v1(39.58,43.98) v1(40.87,33.11) v1(40.91,21.31) v1(40.91,20.42) v1(40.91,19.15) v1(40.91,18.26) v1(40.91,16.99) v1(40.91,16.1) v1(42.67,77.2) v1(48.82,74.97) v1(49.94,38.24) v1(53.23,20.8) v1(53.23,19.91) v1(53.23,18.64) v1(53.23,17.75) v1(53.23,16.48) v1(53.23,15.6) v1(56.47,74.84) v1(56.62,21.26) v1(56.62,20.37) v1(56.62,19.1) v1(56.62,18.21) v1(56.62,16.94) v1(56.62,16.05) v1(56.72,69.19) v1(56.72,67.48) v1(57.23,82.21) v1(57.86,80.24) v1(60.72,49.76) v1(62.49,26.61) v1(63.2,46.39) v1(63.71,70.65) v1(64.28,90.27) v1(64.28,89) v1(64.28,87.73) v1(65.08,90.26) v1(65.08,88.99) v1(65.08,87.72) v1(65.29,70.46) v1(68.07,1.26) v1(68.85,70.65) v1(68.81,20.75) v1(68.81,19.86) v1(68.81,18.59) v1(68.81,17.7) v1(68.81,16.43) v1(68.81,15.54) v1(71.39,49.44) v1(74.44,46.58) v1(75.26,46.58) v1(75.24,10.96) v1(76.09,46.58) v1(77.29,42.65) v1(77.27,24.42) v1(79.15,5.05) v1(80.34,61.51) v1(80.34,60.62) v1(80.34,59.73) v1(83.84,43.09) v1(83.84,42.08) v1(83.84,41.06) v1(83.84,39.79) v1(83.84,38.77) v1(83.84,37.76) v1(84.47,53.44) v1(85.55,53.44) v1(86.63,53.44) v1(87.58,89.48) v2(9.86,14.59) v2(9.86,12.72) v2(11.13,17.08) v2(11.13,15.81) v2(11.13,14.59) v2(11.13,12.72) v2(11.13,11.45) v2(11.13,9.94) v2(11.13,8.8) v2(11.13,7.53) v2(12.4,17.08) v2(12.4,15.81) v2(12.4,14.59) v2(12.4,12.72) v2(12.4,11.45) v2(12.4,9.94) v2(12.4,8.8) v2(12.4,7.53) v2(13.67,17.08) v2(13.67,15.81) v2(13.67,14.59) v2(13.67,11.45) v2(13.67,9.94) v2(13.67,8.8) v2(13.67,7.53) v2(14.56,13.63) v2(14.94,7.53) v2(15.45,14.59) v2(15.45,12.74) v2(16.08,7.53) v2(16.33,13.63) v2(17.22,7.53) v2(18.24,12.48) v2(18.24,11.45) v2(18.24,7.53) v2(20.53,20.68) v2(21.29,22.26) v2(21.29,19.34) v2(21.92,20.68) v2(70.44,20.74) v2(72.02,20.68) v2(73.41,20.68) v2(77.04,16.68) v2(77.04,14.52) v2(77.42,12.74) v2(77.63,15.66) v2(78.18,16.68) v2(78.18,14.52) v2(78.69,11.47) v2(78.69,9.94) v2(79.33,15.66) v2(79.96,16.68) v2(79.96,14.64) v2(79.96,12.87) v2(79.96,11.47) v2(80.6,9.18) v2(81.36,14.64) v2(81.36,12.9) v3(8.4,99.16) v3(46.43,22.07)
